# Altium PCB SystemV1.PcbDoc (part 1 of 3)
Units mm, origin at the board's own origin, x right, y up, seen from the top; angles counter-clockwise.
Board outline 236.09 x 95.76 mm, 4 copper layers (Top Layer, GND, VCC, Bottom Layer), stack 1.586 mm thick; 222 components, 155 nets, 787 pads, 614 vias.
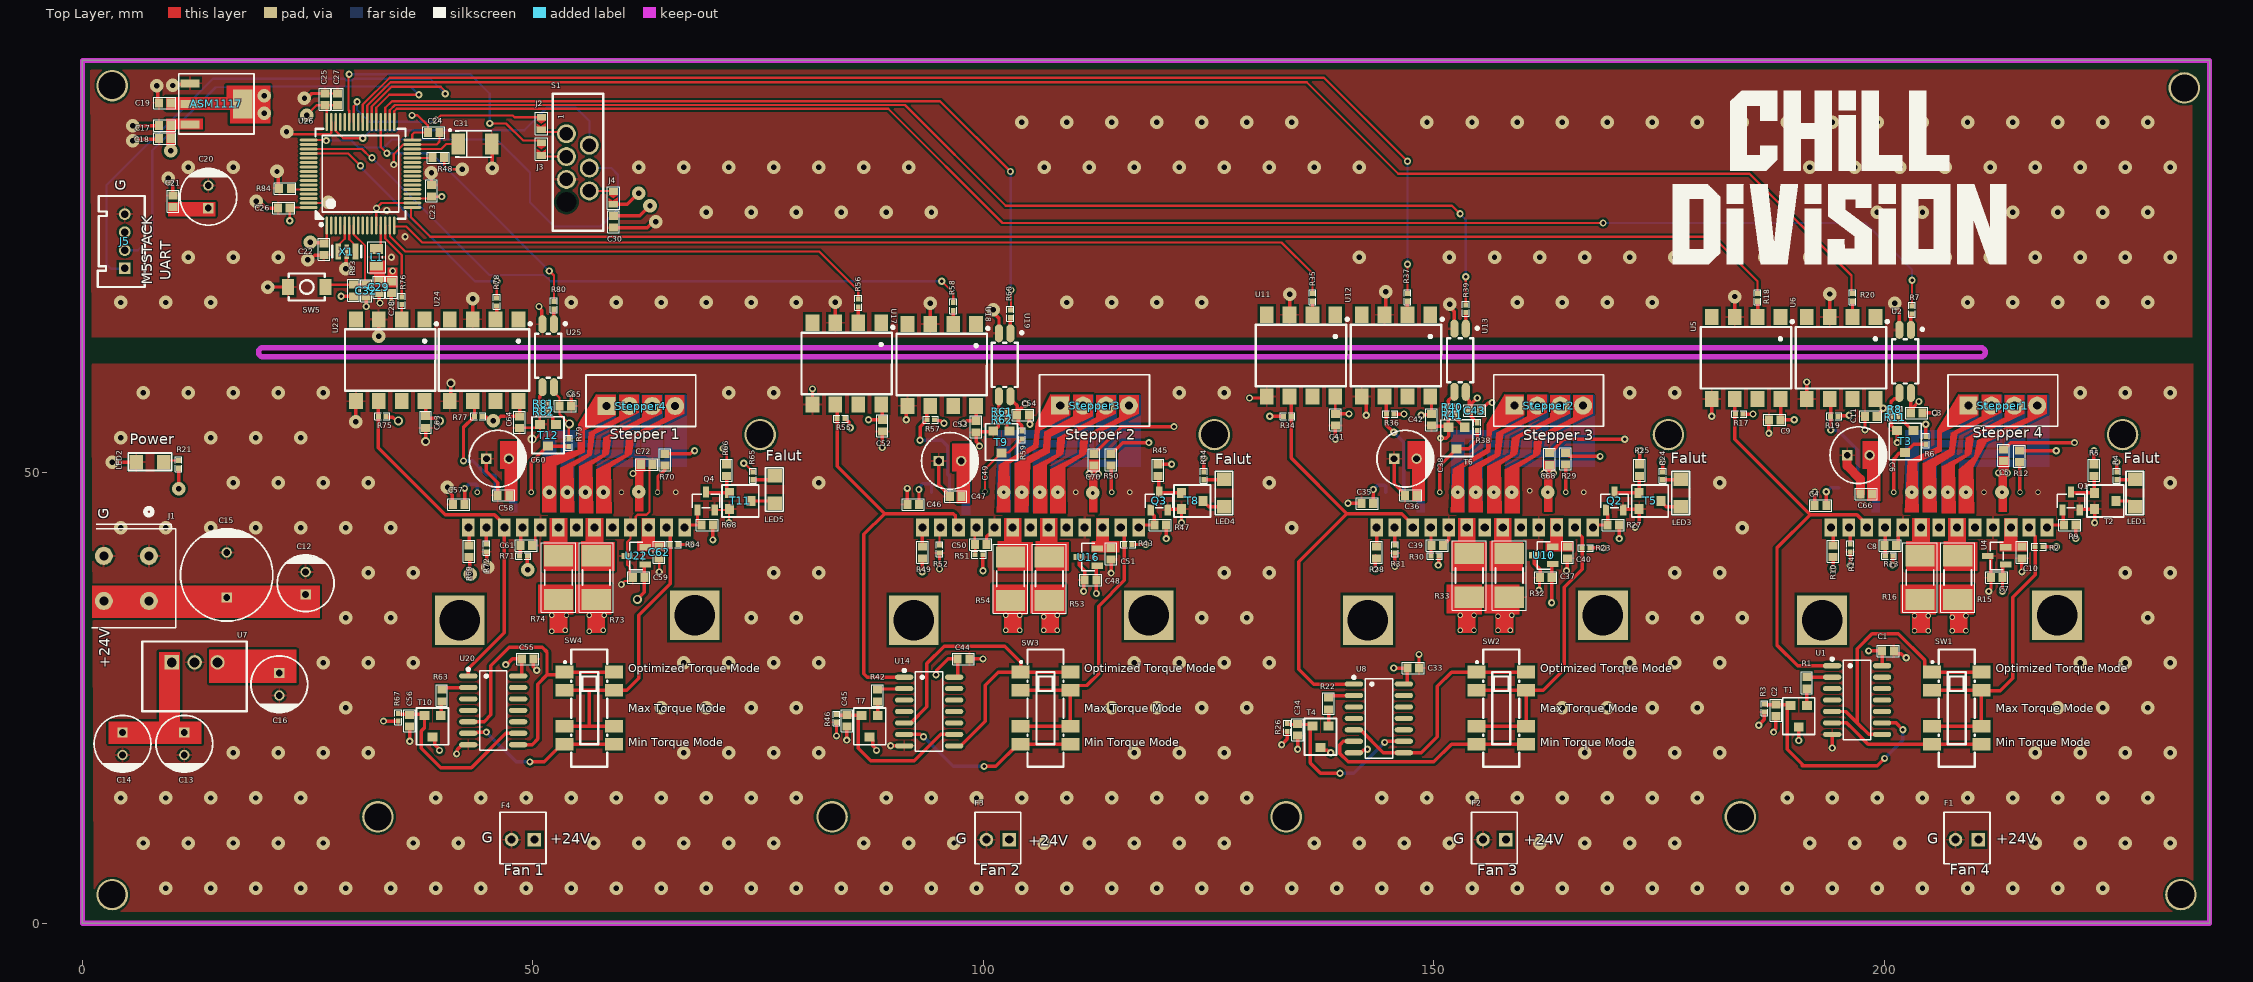
[diagram p0: Top Layer view]
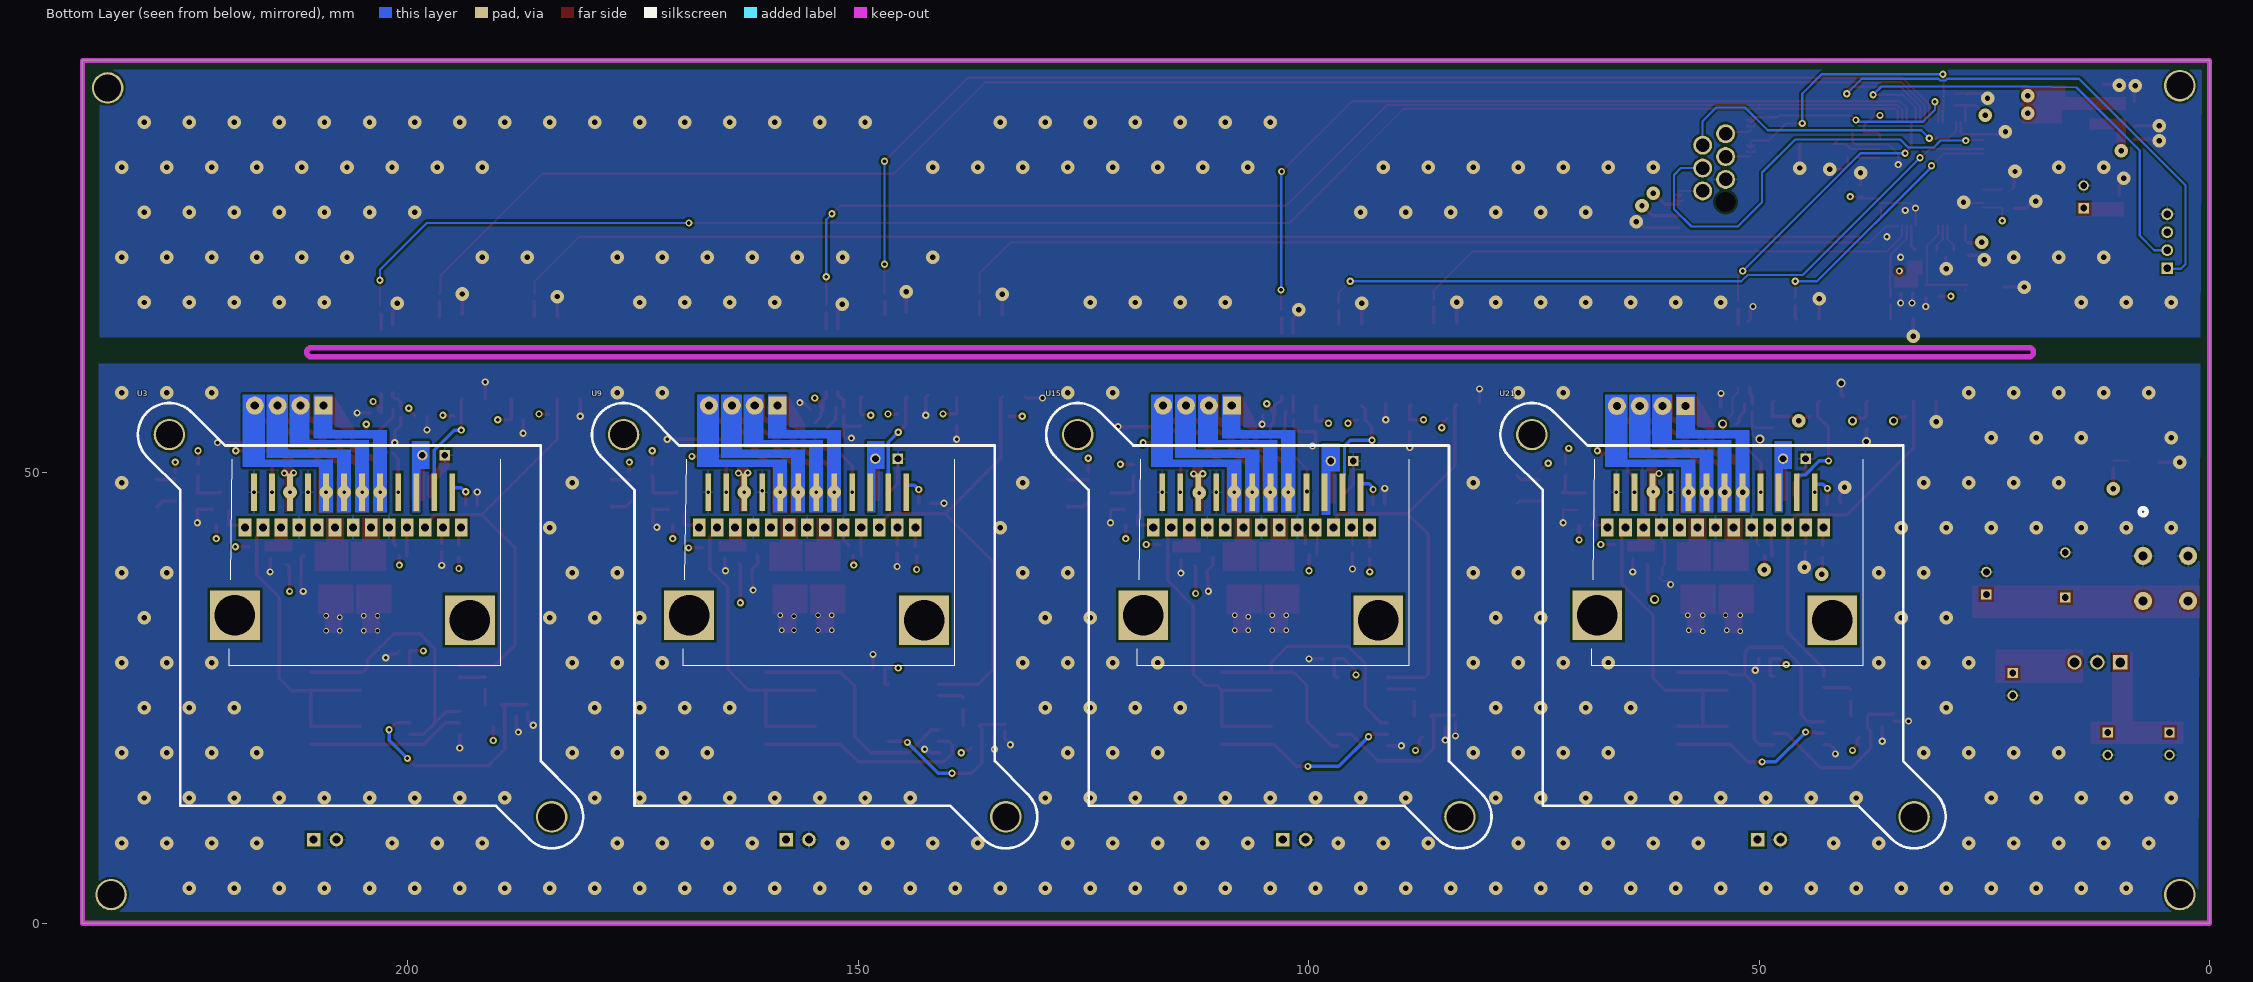
[diagram p1: Bottom Layer view, seen from below]
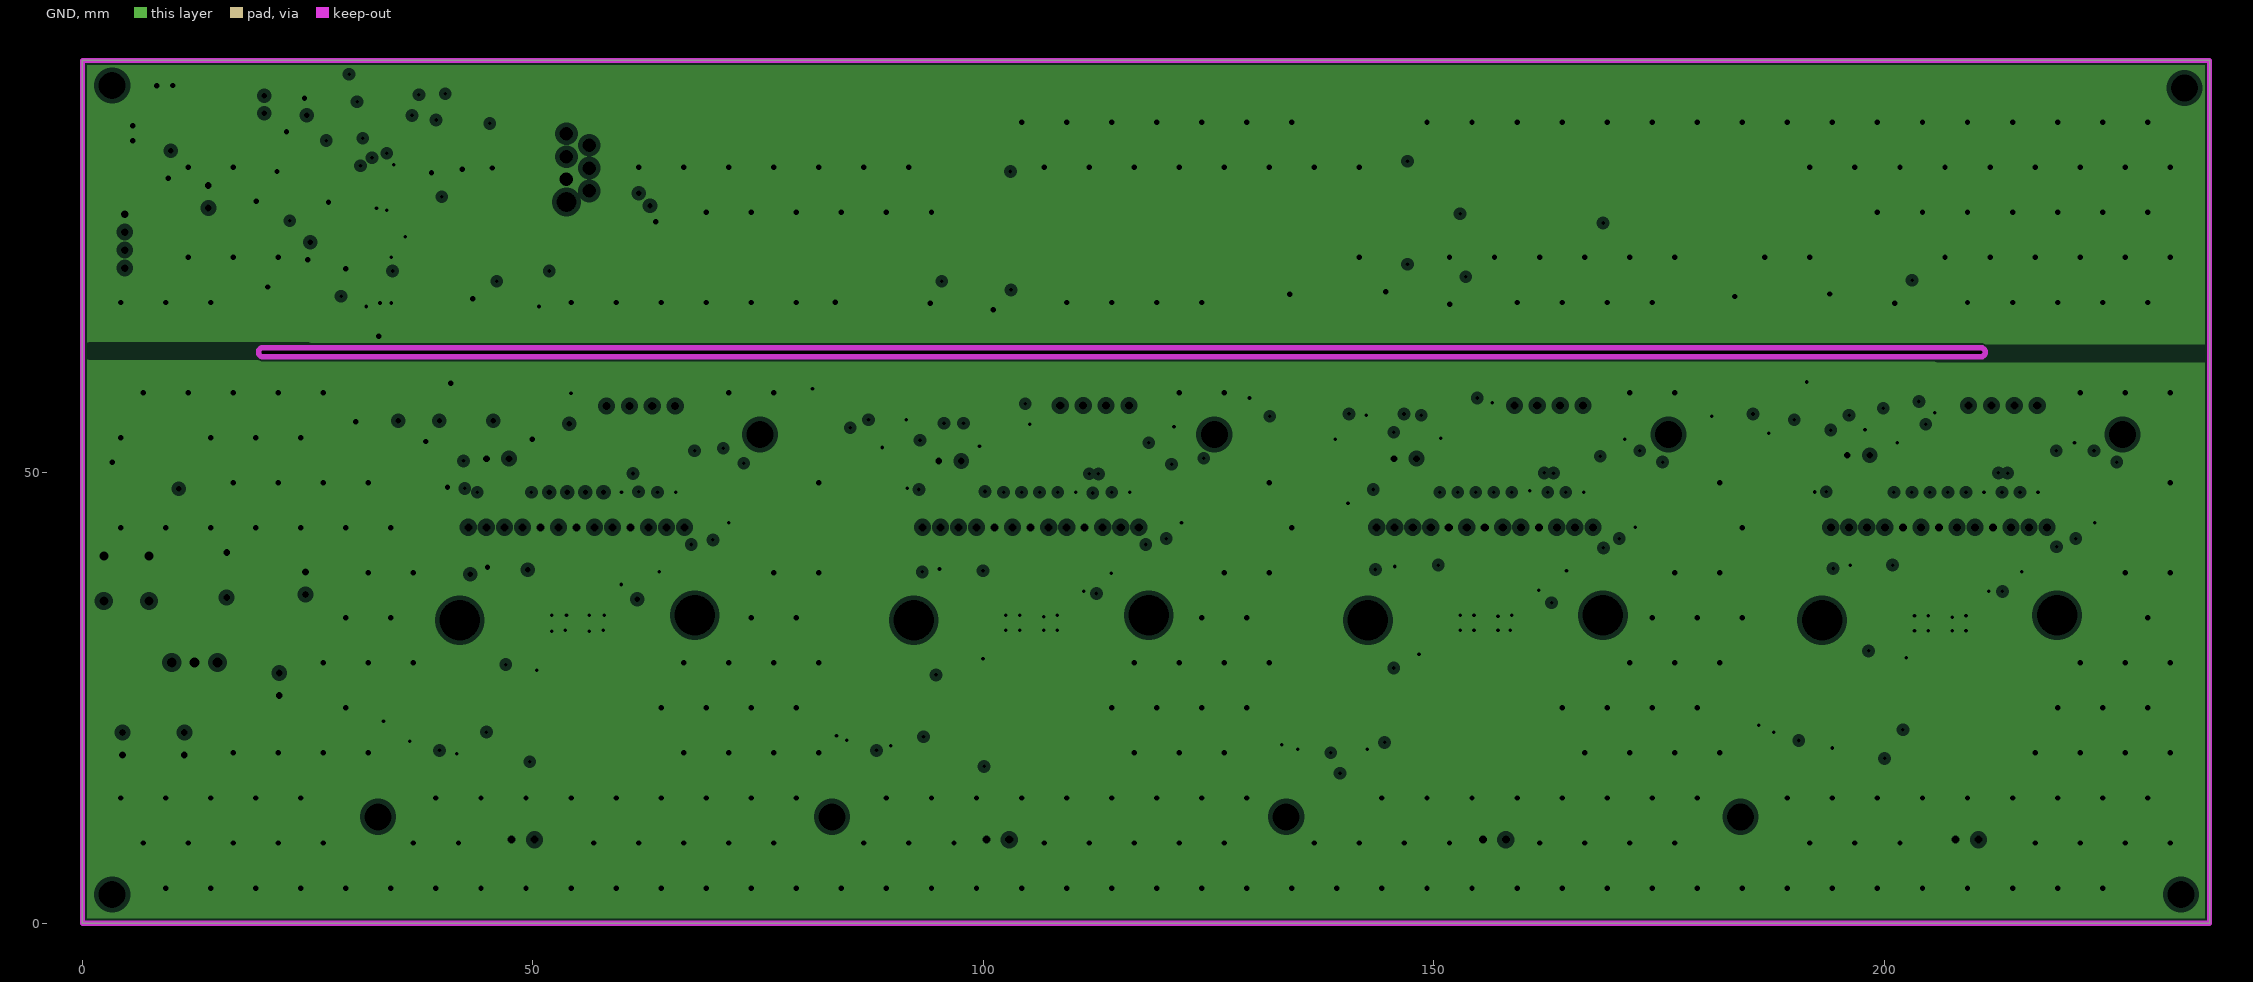
[diagram p2: GND, clearances drawn from the general rule]
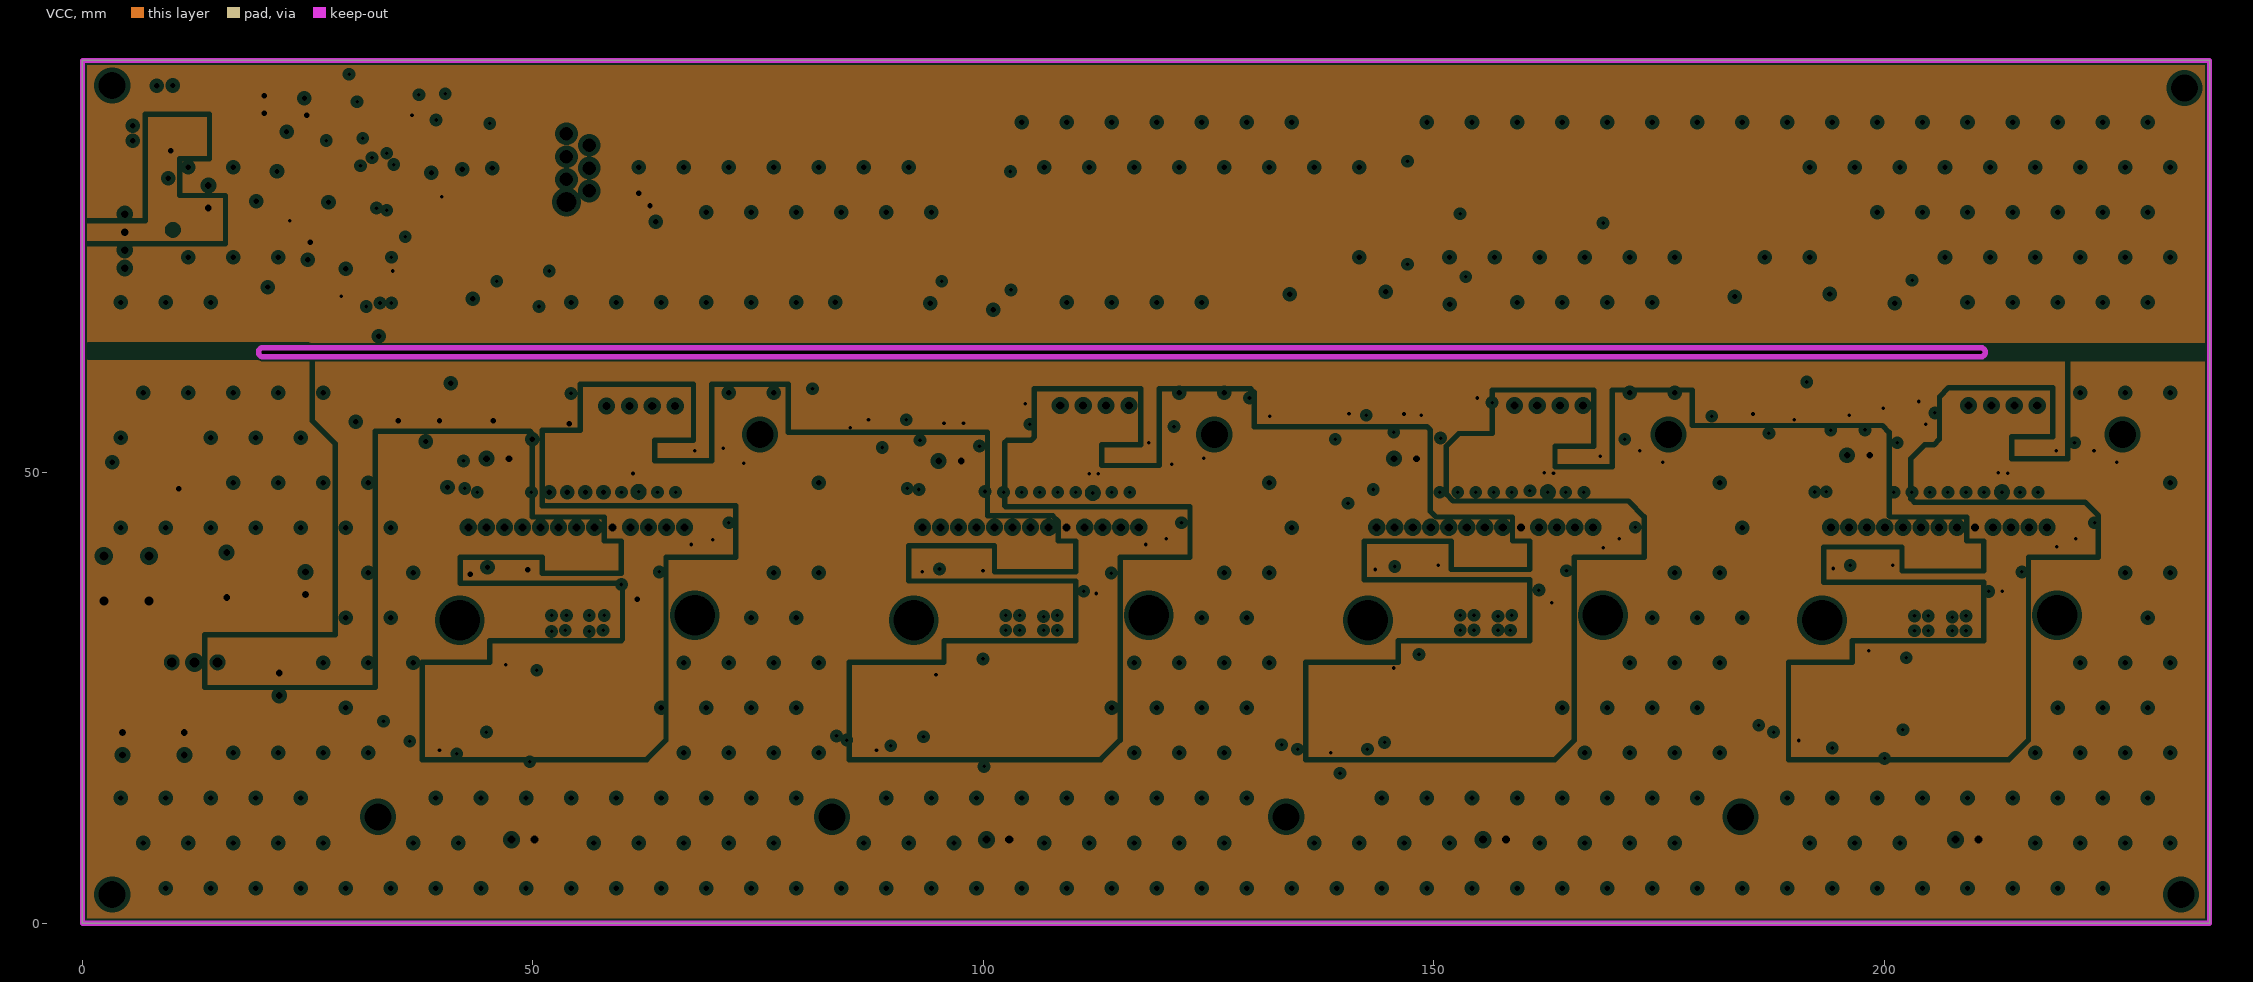
[diagram p3: VCC, clearances drawn from the general rule]
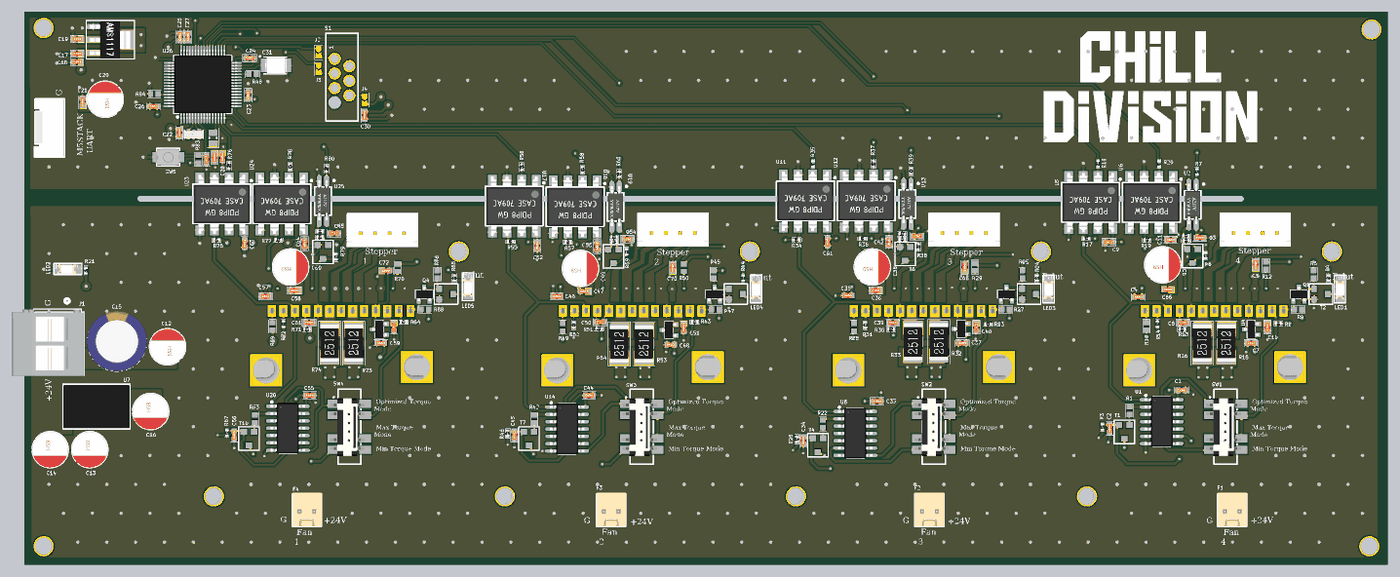
[diagram p6: 3D render of the assembled board from above, using the file's embedded part models]
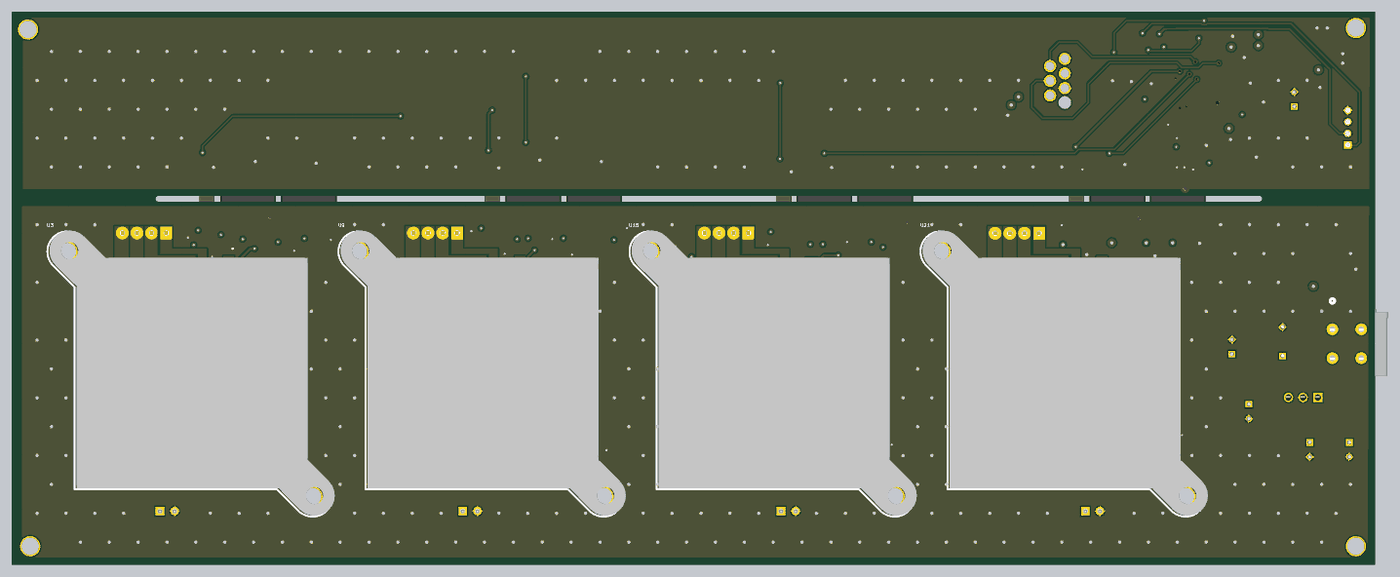
[diagram p7: 3D render of the assembled board from below, using the file's embedded part models]

## Layer stack, top to bottom
Top Solder: solder mask 0.0102, Solder Resist, Dk 3.5
Top Layer: signal copper 0.035
Dielectric 2: prepreg 0.2104, PP-006, Dk 4.1
GND: plane copper 0.0152, net (Multiple Nets)
Dielectric 1: dielectric 1.065, FR-4, Dk 4.8
VCC: plane copper 0.0152, net (Multiple Nets)
Dielectric 3: prepreg 0.2104, PP-006, Dk 4.1
Bottom Layer: signal copper 0.035
Bottom Solder: solder mask 0.0102, Solder Resist, Dk 3.5

## Board outline
0,0 0,95.758 236.093,95.758 236.093,0
cut-out: 20.051,62.877 cw(c20.051,63.385) 20.051,63.893 20.051,63.881 210.693,63.881 cw(c210.693,63.373) 210.693,62.865
cut-out: 20.051,62.877 cw(c20.051,63.385) 20.051,63.893 20.051,63.881 210.693,63.881 cw(c210.693,63.373) 210.693,62.865
cut-out: 20.051,62.877 cw(c20.051,63.385) 20.051,63.893 20.051,63.881 210.693,63.881 cw(c210.693,63.373) 210.693,62.865

## Design rules (kind name [scope] priority, off if disabled: settings)
Clearance Clearance_1 [InNamedPolygon('NONET_L-01_P-001') Or InNamedPolygon('NONET_L-01_P-001') Or InNamedPolygon('NONET_L-01_P-001') Or InNamedPolygon('NONET_L-01_P-001')] p1: gap=0.254 ignorepadtopadclearanceinfootprint=FALSE
Clearance [All] p2: gap=0.178 ignorepadtopadclearanceinfootprint=TRUE
HoleSize [All] p1: absolutevalues=TRUE maxlimit=5 minlimit=0.025 maxpercent=80.000 minpercent=20.000
MinimumSolderMaskSliver [All] p1: minsoldermaskwidth=0.01
PlaneClearance [All] p1: clearance=0.508
PlaneConnect [All] p1: planeconnectstyle=Direct reliefexpansion=0.508 reliefentries=4 reliefconductorwidth=0.254 reliefairgap=0.254
PolygonConnect PolygonConnect_1 [All vs IsNamedPolygon('NONET_L-01_P-001') Or IsNamedPolygon('NONET_L-01_P-001') Or IsNamedPolygon('NONET_L-01_P-001') Or IsNamedPolygon('NONET_L-01_P-001')] p1: thpad.connectstyle=Relief thpad.reliefconductorwidth=0.254 thpad.reliefentries=4 thpad.polygonreliefangle="90 Angle" thpad.airgapwidth=0.254 smdpad.connectstyle=Relief smdpad.reliefconductorwidth=0.254 smdpad.reliefentries=4 smdpad.polygonreliefangle="90 Angle" smdpad.airgapwidth=0.254 via.connectstyle=Direct via.reliefconductorwidth=0.254 via.reliefentries=4 via.polygonreliefangle="90 Angle" via.airgapwidth=0.254
PolygonConnect [All] p2: thpad.connectstyle=Relief thpad.reliefconductorwidth=0.254 thpad.reliefentries=4 thpad.polygonreliefangle="90 Angle" thpad.airgapwidth=0.254 smdpad.connectstyle=Direct smdpad.reliefconductorwidth=0.254 smdpad.reliefentries=4 smdpad.polygonreliefangle="90 Angle" smdpad.airgapwidth=0.254 via.connectstyle=Direct via.reliefconductorwidth=0.254 via.reliefentries=4 via.polygonreliefangle="90 Angle" via.airgapwidth=0.254
RoutingVias [All] p1: holewidth=1 width=1.5 viastyle="Through Hole" minholewidth=0.4 minwidth=0.8 maxholewidth=0.4 maxwidth=0.8
SilkToSilkClearance [All] p1: silktosilkclearance=0.01
SilkToSolderMaskClearance [IsPad] p1: minsilkscreentomaskgap=0.01 clearancetoexposedcopper=TRUE
SolderMaskExpansion [All] p1: expansion=0.102 istentingtop=FALSE
Width [All] p1: maxlimit=2 minlimit=0.25 preferedwidth=0.8
24 further rules are at their usual default settings.

## Classes and differential pairs
component class STM: C22 C23 C24 C25 C26 C27 C28 C29 C30 C31 C32 J2 J3 J4 L1 R48 R83 R84 S1 SW5 U26 X1
component class "Stepper Motor4": C55 C56 C57 C58 C59 C60 C61 C62 C63 C64 C65 C72 LED5 Q4 R63 R64 R65 R66 R67 R68 R69 R70 R71 R72 R73 R74 R75 R76 R77 R78 R79 R80 R81 R82 Stepper4 SW4 T10 T11 T12 U20 U21 U22 U23 U24 U25
component class "Stepper Motor3": C44 C45 C46 C47 C48 C49 C50 C51 C52 C53 C54 C70 LED4 Q3 R42 R43 R44 R45 R46 R47 R49 R50 R51 R52 R53 R54 R55 R56 R57 R58 R59 R60 R61 R62 Stepper3 SW3 T7 T8 T9 U14 U15 U16 U17 U18 U19
component class "Stepper Motor2": C33 C34 C35 C36 C37 C38 C39 C40 C41 C42 C43 C68 LED3 Q2 R22 R23 R24 R25 R26 R27 R28 R29 R30 R31 R32 R33 R34 R35 R36 R37 R38 R39 R40 R41 Stepper2 SW2 T4 T5 T6 U8 U9 U10 U11 U12 U13
component class POWER: ASM1117 C12 C13 C14 C15 C16 C17 C18 C19 C20 C21 F1 F2 F3 F4 J1 J5 LED2 R21 U7
component class "Stepper Motor1": C1 C2 C3 C4 C5 C6 C7 C8 C9 C10 C11 C66 LED1 Q1 R1 R2 R3 R4 R5 R6 R7 R8 R9 R10 R11 R12 R13 R14 R15 R16 R17 R18 R19 R20 Stepper1 SW1 T1 T2 T3 U1 U2 U3 U4 U5 U6

## Components (designator, comment, footprint, x,y, rotation, side; value= is the part's Value field where it differs from the comment)
ASM1117 "AMS1117 - 3.3V Reg" SOT229P700X180-4N 14.859,90.932 r0 top
C1 "0.1uF/50V" PCBComponent_1#1 200.409,30.226 r180 top
C2 "0.1uF/50V" PCBComponent_1#1 187.963,23.622 r90 top
C3 "0.1uF/50V" PCBComponent_1#1 203.581,56.642 r180 top
C4 "0.1uF/50V" PCBComponent_1#1 192.916,46.355 r0 top
C5 "0.1uF/50V" PCBComponent_1#1 213.236,51.943 r270 top
C6 "47uF/50V" CAPLEAD_D6.3MM 195.877,51.943 r0 top
C7 "10uF/25V" PCBComponent_1#1 212.474,38.354 r0 top
C8 "0.1uF/50V" PCBComponent_1#1 200.66,41.91 r180 top
C9 "0.1uF/50V" PCBComponent_1#1 187.836,55.88 r0 top
C10 "1uF/16V" PCBComponent_1#1 215.268,41.148 r90 top
C11 "0.1uF/50V" PCBComponent_1#1 198.504,56.261 r0 top
C12 "100uF/50V" CAPLEAD_D6.3MM 24.768,36.489 r90 top
C13 "33uF/50V" CAPLEAD_D6.3MM 11.303,21.169 r270 top
C14 "10uF/100V" CAPLEAD_D6.3MM 4.445,21.169 r270 top
C15 "470uF/50V" CAPLEAD_D10mm 16.005,36.148 r90 top
C16 "33uF/50V" CAPLEAD_D6.3MM 21.844,27.773 r270 top
C17 "1uF/16V" PCBComponent_1#1 9.144,88.519 r0 top
C18 "22uF/16V" PCBComponent_1#1 9.144,87.122 r0 top
C19 "22uF/16V" PCBComponent_1#1 9.144,91.059 r0 top
C20 "33uF/50V" CAPLEAD_D6.3MM 13.97,79.375 r90 top
C21 "0.1uF/50V" PCBComponent_1#1 10.033,80.137 r270 top
C22 "0.1uF/50V" PCBComponent_1#1 26.797,74.803 r90 top
C23 "0.1uF/50V" PCBComponent_1#1 38.738,81.295 r270 top
C24 "0.1uF/50V" PCBComponent_1#1 38.989,87.757 r180 top
C25 "0.1uF/50V" PCBComponent_1#1 26.924,91.44 r270 top
C26 "0.1uF/50V" PCBComponent_1#1 22.352,79.375 r0 top
C27 "4.7uF/25V" PCBComponent_1#1 28.321,91.44 r270 top
C28 "1uF/16V" PCBComponent_1#1 34.29,70.597 r90 top
C29 "10nF/50V" PCBComponent_1#1 32.893,70.612 r90 top
C30 "0.1uF/50V" PCBComponent_1#1 58.928,77.851 r90 top
C31 "4.7uF/16V" CASE-B_3528 43.561,86.487 r0 top
C32 "0.1uF/50V" PCBComponent_1#1 31.496,70.216 r90 top
C33 "0.1uF/50V" PCBComponent_1#1 147.701,28.321 r180 top
C34 "0.1uF/50V" PCBComponent_1#1 134.874,21.463 r90 top
C35 "0.1uF/50V" PCBComponent_1#1 142.624,46.609 r0 top
C36 "0.1uF/50V" PCBComponent_1#1 147.45,47.498 r0 top
C37 "10uF/25V" PCBComponent_1#1 162.436,38.354 r0 top
C38 "47uF/50V" CAPLEAD_D6.3MM 145.585,51.562 r0 top
C39 "0.1uF/50V" PCBComponent_1#1 150.368,41.91 r180 top
C40 "1uF/16V" PCBComponent_1#1 164.849,41.148 r90 top
C41 "0.1uF/50V" PCBComponent_1#1 139.065,55.88 r90 top
C42 "0.1uF/50V" PCBComponent_1#1 149.733,55.88 r90 top
C43 "0.1uF/50V" PCBComponent_1#1 154.562,56.896 r180 top
C44 "0.1uF/50V" PCBComponent_1#1 97.79,29.337 r180 top
C45 "0.1uF/50V" PCBComponent_1#1 84.839,22.479 r90 top
C46 "0.1uF/50V" PCBComponent_1#1 92.205,46.482 r0 top
C47 "0.1uF/50V" PCBComponent_1#1 96.919,47.371 r0 top
C48 "10uF/25V" PCBComponent_1#1 111.89,38.1 r0 top
C49 "47uF/50V" CAPLEAD_D6.3MM 95.036,51.308 r0 top
C50 "0.1uF/50V" PCBComponent_1#1 99.695,42.037 r180 top
C51 "1uF/16V" PCBComponent_1#1 114.176,41.021 r90 top
C52 "0.1uF/50V" PCBComponent_1#1 88.773,55.23 r90 top
C53 "0.1uF/50V" PCBComponent_1#1 99.187,55.118 r90 top
C54 "0.1uF/50V" PCBComponent_1#1 104.394,56.388 r180 top
C55 "0.1uF/50V" PCBComponent_1#1 49.403,29.337 r180 top
C56 "0.1uF/50V" PCBComponent_1#1 36.322,22.479 r90 top
C57 "0.1uF/50V" PCBComponent_1#1 41.768,46.482 r0 top
C58 "0.1uF/50V" PCBComponent_1#1 46.736,47.498 r0 top
C59 "10uF/25V" PCBComponent_1#1 61.725,38.354 r0 top
C60 "47uF/50V" CAPLEAD_D6.3MM 44.831,51.562 r0 top
C61 "0.1uF/50V" PCBComponent_1#1 49.276,41.91 r180 top
C62 "1uF/16V" PCBComponent_1#1 64.008,41.148 r90 top
C63 "0.1uF/50V" PCBComponent_1#1 38.1,55.626 r90 top
C64 "0.1uF/50V" PCBComponent_1#1 48.514,55.611 r90 top
C65 "0.1uF/50V" PCBComponent_1#1 53.594,57.404 r180 top
C66 "0.1uF/50V" PCBComponent_1#1 197.996,47.625 r0 top
C68 "0.1uF/50V" PCBComponent_1#1 162.84,51.525 r270 top
C70 "0.1uF/50V" PCBComponent_1#1 112.268,51.435 r270 top
C72 "0.1uF/50V" PCBComponent_1#1 62.611,50.927 r180 top
F1 "" "PinHeader Polar" 209.172,9.271 r180 top
F2 "" "PinHeader Polar" 156.721,9.271 r180 top
F3 "" "PinHeader Polar" 101.603,9.271 r180 top
F4 "" "PinHeader Polar" 48.898,9.271 r180 top
J1 "Terminal Block" CONN2_235-402331-000_WAGO 7.369,40.767 r270 top
J2 "Jumper" Jumper 50.927,89.408 r270 top
J3 "Jumper" Jumper 50.927,86.568 r270 top
J4 "Jumper" Jumper 58.928,81.153 r270 top
J5 "Header 4P*2mm" CONN-TH_4P-P2.00_HX20020-4A_2 4.699,72.708 r270 top
L1 "CMI201209X100KT" INDC2012X06N 32.639,73.914 r90 top
LED1 "1206 LED" "1206 LED" 227.711,47.498 r270 top
LED2 "1206 LED" "1206 LED" 7.239,51.308 r180 top